# Altium PCB PCB_Incense_V20.PcbDoc (part 1 of 3) (continued)
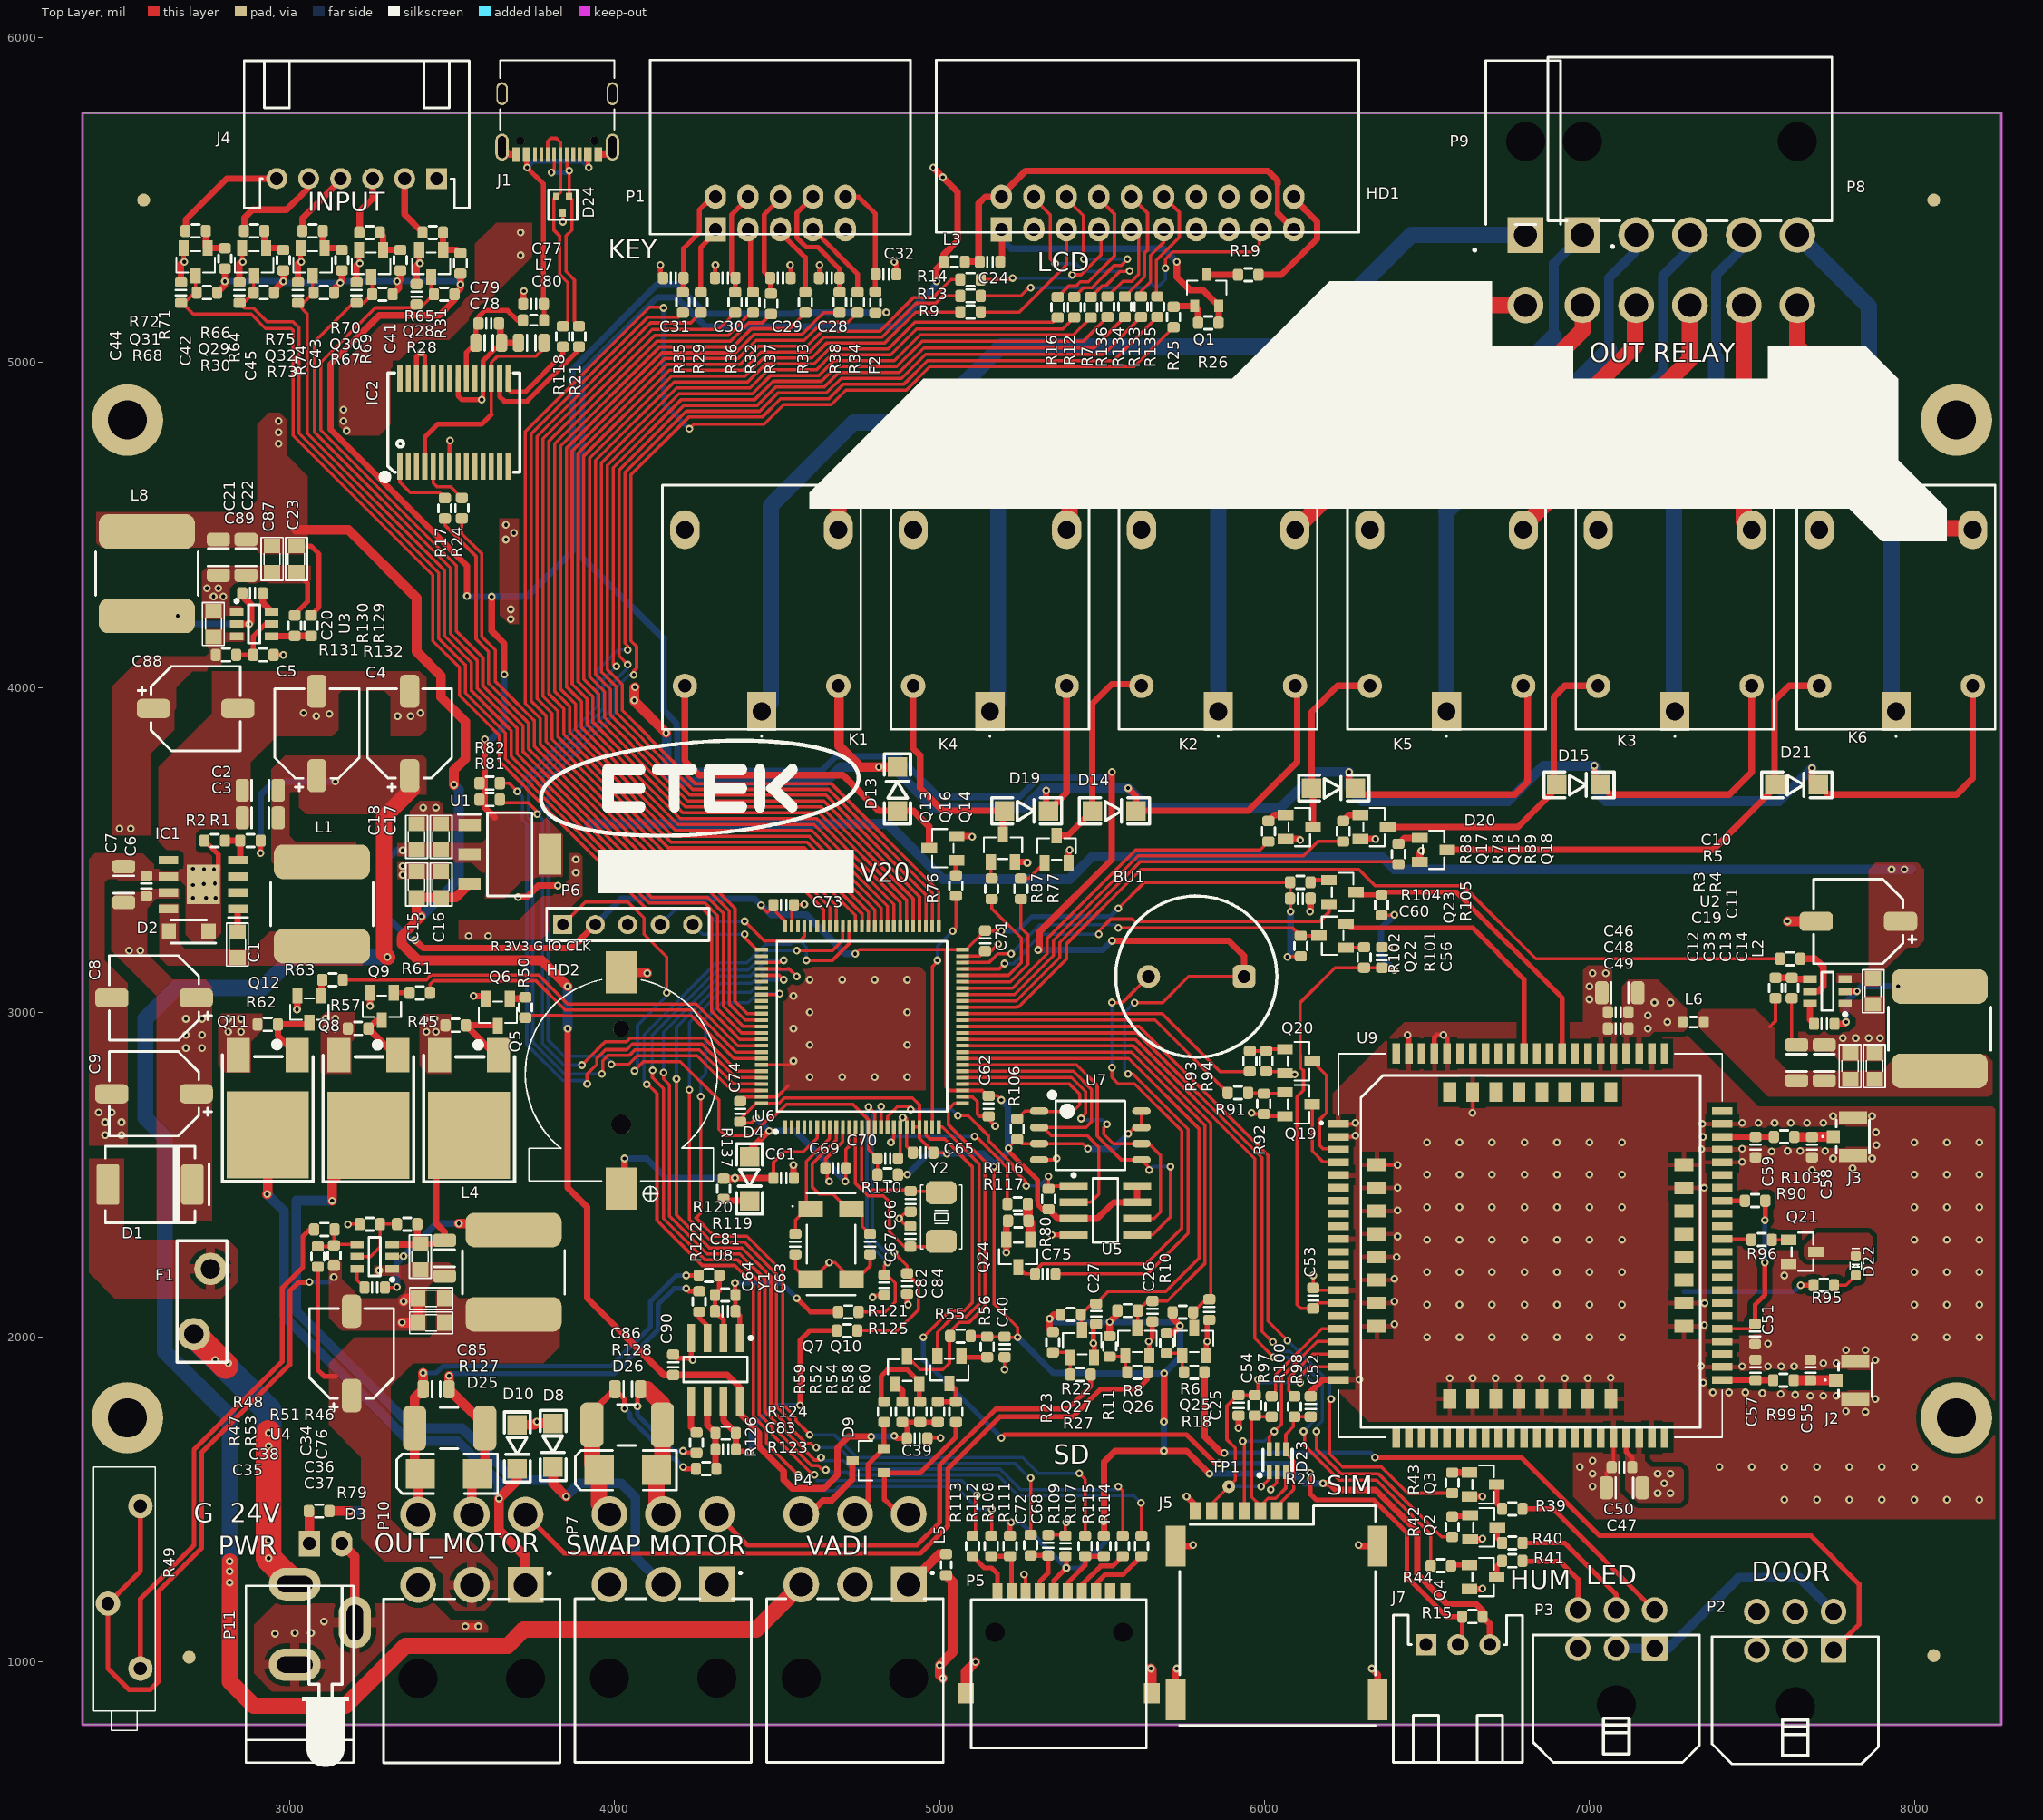
[diagram p0: Top Layer view]
## Footprints (in the part's own frame and the unit in brackets; to place one, negate y for a bottom-side part, rotate by r counter-clockwise, add the part's x,y. Pads: shape width x height; smd on the part's side, far side on the other; paste and mask are expansions set on the pad) (continued)
TESTPOINT [mm] "Test point 2"
  round 1 smd mask+0.051: 1(0,0)
TO-252 [mm]
  rect 1.8x2.7 smd mask+0.051: 1(-2.3,0) 3(2.3,0)
  rect 6.4x6.8 smd mask+0.051: 2(0,6.25)
  silkscreen extent -3.56,-1.02 3.56,9.91, body extent -3.29,-0.72 3.29,8.98, height 2.3
TRB160-2 [mm]
  round 2.54 hole 1.5 mask+0.076: 1(-2.55,0.65) 2(2.55,-0.65)
  silkscreen extent -4.75,-1.95 4.75,1.95, body extent -4.7,-1.55 4.7,1.55, height 14.7
XH2.54-3P-RA [mil] "CON 5"
  rect 65x65 hole 39.37 mask+3: 1(0,-0.01)
  round 65 hole 39.37 mask+3: 2(-98.43,-0.01) 3(-196.83,-0.01)
  silkscreen extent -297,-91 101,362, body extent -293,-91 96,362, height 240
XH2.54-6P-RA [mil] "CON 5"
  rect 65x65 hole 39.37 mask+3: 1(0.01,-0.01)
  round 65 hole 39.37 mask+3: 2(-98.42,-0.01) 3(-196.84,-0.01) 4(-295.27,-0.01) 5(-393.69,-0.01) 6(-492.1,-0.01)
  silkscreen extent -592,-91 101,362, body extent -589,-91 96,362, height 240
xtal_5032 [mm]
  rrect50% 1.8x2.413 smd: 1(-1.9,0) 2(1.9,0)
  silkscreen extent -2.5,-1.6 2.5,1.6, body extent -2.47,-1.62 2.53,1.58, height 1.3

## Part data
BU1: library part PKM13EPYH4000, "BUZZ 5V 12095 12x9.5mm", MANUFACTURER1=LKCL, MANUFACTURER2_PART#="5V 9.5x12MM", Category=PASSIVE, MANUFACTURER1_PART#=CLA2022, MANUFACTURER2=https://banlinhkien.com/coi-chip-5v-9.5x12mm-p6653467.html
C1 C11 C13 C14 C20 C23 C87: "CAP CER 0.1UF 50V X7R 0805", =Value=0.1uF, MANUFACTURER1="Cal-Chip Electronics, Inc.", MANUFACTURER1_PART#=GMC21X7R104M50NT, LatestRevisionDate=17-Jul-2002, LatestRevisionNote="Re-released for DXP Platform.", PackageDescription="Radial Cap, Thru-Hole; 2 Leads; 0.3 in Pin Spacing", PackageReference=RAD-0.3, Published=8-Jun-2000, Publisher="Altium Limited"
C2 C3 C7 C76: library part Cap, "CAP CER 10UF 50V X5R 1206", MANUFACTURER1="Samsung Electro-Mechanics", MANUFACTURER1_PART#=CL31A106MBHNNNE, Tolerance=±10%, VOLTAGE=50V, Category=CAP-CER, Material=X7R, PACKING="Tape & Reel (TR)", PCB Footprint=1206, Process Type=SM, UNIT=PCS
C4 C5: library part "Cap TANTAN 100UF35V2917_1", "CAP ALUM 100UF 20% 16V SMD", MANUFACTURER1=Nichicon, MANUFACTURER1_PART#=UWX1C101MCL1GB, MANUFACTURER2=KEMET, MANUFACTURER2_PART#=EDK107M016A9GAA, TEMP=0-85, Tolerance=20%, VOLTAGE=16V, Category=CAP-POL-SMD, DIA=6.3mm
C6 C48 C51 C53 C54 C56 C60 C68 C75 C77 C79: library part Cap, "CAP-CER,SMD;0.1UF,10%,50V,X7R,0603", MANUFACTURER1="Samsung Electro-Mechanics", MANUFACTURER1_PART#=CL10B104KB8NNNC, MANUFACTURER2=UWA, MANUFACTURER2_PART#=M0603X104K050TAX, Tolerance=±10%, VOLTAGE=50V, Category=CAP-CER, Material=X7R, PACKING="Tape & Reel (TR)", PCB Footprint=0603, Process Type=SM, UNIT=PCS
  C68: LOH_Code=101100038
C8 C9 C10 C35 C88: library part "Cap TANTAN 47UF35V2917", "CAP ALUM 47UF 20% 35V SMD", MANUFACTURER1=Nichicon, MANUFACTURER1_PART#=UUR1V470MCL6GS, MANUFACTURER2=KEMET, MANUFACTURER2_PART#=EDK476M035A9GAA, TEMP=0-85, Tolerance=20%, VOLTAGE=35V, Category=CAP-POL-SMD, DIA=6.3mm
C12 C21 C22 C33 C46 C47: library part Cap, "CAP CER 100UF 6.3V X5R 1206", MANUFACTURER1="Taiyo Yuden", MANUFACTURER1_PART#=JMK316BJ107ML-T, MANUFACTURER2=Yageo, MANUFACTURER2_PART#=JMK107BJ475KA-T, Tolerance=±10%, VOLTAGE=6.3V, Category=CAP-CER, Material=X5R, PACKING="Tape & Reel (TR)", PCB Footprint=1206, Process Type=SM, UNIT=PCS
C15: library part CAP, "CAP CER 10UF 25V X5R 0805", MANUFACTURER1="Cal-Chip Electronics, Inc.", MANUFACTURER1_PART#=GMC21X5R106M25NT
C16 C18: library part CAP, "CAP CER 0.1UF 50V X7R 0805", MANUFACTURER1="Cal-Chip Electronics, Inc.", MANUFACTURER1_PART#=GMC21X7R104M50NT
C17: library part CAP, "CAP CER 10UF 16V X5R 0805", MANUFACTURER1="Cal-Chip Electronics, Inc.", MANUFACTURER1_PART#=GMC21X5R106K16NT
C19 C89: "CAP CER 0.1UF 50V X5R 0603", =Value=0.1uF, MANUFACTURER1="Cal-Chip Electronics, Inc.", MANUFACTURER1_PART#=GMC10X5R104M50NT, LatestRevisionDate=17-Jul-2002, LatestRevisionNote="Re-released for DXP Platform.", PackageDescription="Radial Cap, Thru-Hole; 2 Leads; 0.3 in Pin Spacing", PackageReference=RAD-0.3, Published=8-Jun-2000, Publisher="Altium Limited"
C24 C28 C29 C30 C31 C32: library part Cap_0.1uF, "CAP CER 0.1UF 50V X7R 0603", MANUFACTURER1="Samsung Electro-Mechanics", MANUFACTURER1_PART#=CL10B104KB8NNNC, Tolerance=±10%, VOLTAGE=50V, Category=CAP-CER, MANU1="Samsung Electro-Mechanics", Material=X7R, PROC=SM, UNIT=PCS
C25 C26 C27 C39 C40 C41 C42 C43 C44 C45 C81 C82 C83 C84 C90: library part Cap, "CAP CER 0.1UF 50V X7R 0603", MANUFACTURER1="Samsung Electro-Mechanics", MANUFACTURER1_PART#=CL10B104KB8NNNC, MANUFACTURER2=UWA, MANUFACTURER2_PART#=M0603X104K050TAX, Tolerance=±10%, VOLTAGE=50V, Category=CAP-CER, Material=X7R, PACKING="Tape & Reel (TR)", PCB Footprint=0603, Process Type=SM, UNIT=PCS
C34 C38 C62 C65 C69 C70: "CAP CER 0.1UF 50V X7R 0603", =Value=0.1uF, MANUFACTURER1="Samsung Electro-Mechanics", MANUFACTURER1_PART#=CL10B104KB8NNNC, LatestRevisionDate=17-Jul-2002, LatestRevisionNote="Re-released for DXP Platform.", PackageDescription="Radial Cap, Thru-Hole; 2 Leads; 0.3 in Pin Spacing", PackageReference=RAD-0.3, Published=8-Jun-2000, Publisher="Altium Limited"
C36 C37: "cap,0805,0.1uF,50V", =Value=0.1uF, LatestRevisionDate=17-Jul-2002, LatestRevisionNote="Re-released for DXP Platform.", PackageDescription="Radial Cap, Thru-Hole; 2 Leads; 0.3 in Pin Spacing", PackageReference=RAD-0.3, Published=8-Jun-2000, Publisher="Altium Limited"
C49: library part Cap, "CAP CER 33PF 50V C0G/NPO 0603", MANUFACTURER1="Samsung Electro-Mechanics", MANUFACTURER1_PART#=CL10C330JB8NNNC, MANUFACTURER2=Yageo, MANUFACTURER2_PART#=CC0603JRNPO9BN330, Tolerance=±10%, VOLTAGE=50V, Category=CAP-CER, Material=C0G/NPO, PACKING="Tape & Reel (TR)", PCB Footprint=0603, Process Type=SM, UNIT=PCS
C50: library part Cap, "CAP CER 10PF 50V C0G/NPO 0603", MANUFACTURER1="Samsung Electro-Mechanics", MANUFACTURER1_PART#=CL10C100JB8NNNC, MANUFACTURER2=Yageo, MANUFACTURER2_PART#=CC0603JRNPO9BN100, Tolerance=±10%, VOLTAGE=50V, Category=CAP-CER, Material=X7R, PACKING="Tape & Reel (TR)", PCB Footprint=0603, Process Type=SM, UNIT=PCS
C52 C66 C67 C72: library part Cap, "CAP CER 18PF 50V C0G/NP0 0603", MANUFACTURER1=Samsung, MANUFACTURER1_PART#=CL10C180JB81PNC, MANUFACTURER2=Yageo, MANUFACTURER2_PART#=CC0603JRNPO9BN180, Tolerance=±5%, VOLTAGE=50V, Category=CAP-CER, Material="C0G, NP0", PACKING="Tape & Reel (TR)", PCB Footprint=0603, Process Type=SM, UNIT=PCS
C55 C57 C58 C59 C63 C64: library part Cap, "CAP-CER,SMD;12PF,5%,50V,C0G/NPO 0603", MANUFACTURER1=Yageo, MANUFACTURER1_PART#=CC0603JRNPO9BN120, Tolerance=±5%, VOLTAGE=50V, Category=CAP-CER, Material="C0G, NP0", PACKING="Tape & Reel (TR)", PCB Footprint=0603, Process Type=SM, UNIT=PCS
  C55 C57 C58 C59: NI_MARK=NI
  C63 C64: DESCCRIPTION="CAP CER 20PF 50V C0G/NPO 0603", don vi cung cap=shop, PROC=SM
C61: library part Cap, "CAP CER 0.1UF 50V X7R 0603", =Value=0.1uF, MANUFACTURER1="Samsung Electro-Mechanics", MANUFACTURER1_PART#=CL10B104KB8NNNC, LatestRevisionDate=17-Jul-2002, LatestRevisionNote="Re-released for DXP Platform.", PackageDescription="Radial Cap, Thru-Hole; 2 Leads; 0.3 in Pin Spacing", PackageReference=RAD-0.3, Published=8-Jun-2000, Publisher="Altium Limited"
C71 C73 C74: "CAP-CER,SMD;0.1UF,10%,50V,X7R,0603", MANUFACTURER1="Samsung Electro-Mechanics", MANUFACTURER1_PART#=CL10B104KB8NNNC, LatestRevisionDate=17-Jul-2002, LatestRevisionNote="Re-released for DXP Platform.", PackageDescription="Radial Cap, Thru-Hole; 2 Leads; 0.3 in Pin Spacing", PackageReference=RAD-0.3, Published=8-Jun-2000, Publisher="Altium Limited"
C78 C80: library part Cap-NP-100, "CAP-CER,SMD;10UF,10%,25V,X5R,0805", MANUFACTURER1="Taiyo Yuden", MANUFACTURER1_PART#=TMK212BBJ106KG-T, MANUFACTURER2=Samsung, MANUFACTURER2_PART#=CL21A106KAYNNNG, PACKAGE=0805, Tolerance=±10%, VOLTAGE=25V, Category=CAP_CER, Material=X5R, PACKING="Tape & Reel (TR)", PCB Footprint=0805, Process Type=SM, UNIT=PCS
C85 C86: library part Cap-NP-100, "CAP CER 22UF 16V X5R 0805", MANUFACTURER1=Samsung, MANUFACTURER1_PART#=CL21A226MOCLRNC, MANUFACTURER2="Taiyo Yuden", MANUFACTURER2_PART#=LMK212BBJ226MG-T, PACKAGE=0805, Tolerance=±20%, VOLTAGE=16V, Category=CAP_CER, DESCCRIPTION="CAP CER 22UF 16V X5R 0805", Material=X5R, PACKING="Tape & Reel (TR)", PCB Footprint=0805, Process Type=SM, UNIT=PCS
D1: library part Diode, "Default Diode", MANUFACTURER1=Diodes, MANUFACTURER1_PART#=S3MB-13-F, Supplier Part Number 1=3172375, Code_JEDEC=DO-214-AB, LatestRevisionDate=17-Jul-2002, LatestRevisionNote="Re-released for DXP Platform.", PackageDescription="DO-214-AB/SMC; 2 C-Bend Leads; Body 7.9 x 5.9 mm, inc. leads (LxW)", PackageReference=SMC, PackageVersion=Sep-1996, Published=8-Jun-2000, Publisher="Altium Limited", Supplier 1="Future Electronics"
D2: library part "D Schottky", "Diode 40 V 3A Surface Mount SMAF", MANUFACTURER1=MDD, Supplier Part Number 1=90AJ6552, Code_JEDEC=DO-214-AA, LatestRevisionDate=17-Jul-2002, LatestRevisionNote="Re-released for DXP Platform.", MANUFACTURER1_PART#=SS34F, PackageDescription="DO-214-AA/SMB; 2 C-Bend Leads; Body 5.3 x 3.6 mm, inc. leads (LxW)", PackageReference=SMA, Published=8-Jun-2000, Publisher="Altium Limited", Supplier 1=Newark
D3: library part LED-RED, "LED_3MM,2V,20mA,GREEN", Category="LED SMD", MANUFACTURER1_PART#=https://banlinhkien.com/led-3mm-xanh-la-duc-10c-p12117293.html, PACKING="Tape & Reel (TR)", PCB Footprint=LED_3MM, Process Type=SM, UNIT=PCS
D4 D8 D10 D13 D14 D15 D19 D20 D21: library part Diode, "DIODE GP 100V 300MA SOD123 10K", MANUFACTURER1="Diodes Incorporated", MANUFACTURER1_PART#=1N4148WQ-13-F, Code_JEDEC=DO-214-AB, LatestRevisionDate=17-Jul-2002, LatestRevisionNote="Re-released for DXP Platform.", PackageDescription="DO-214-AB/SMC; 2 C-Bend Leads; Body 7.9 x 5.9 mm, inc. leads (LxW)", PackageReference=SMC, PackageVersion=Sep-1996, Published=8-Jun-2000, Publisher="Altium Limited"
  D4: Assembly=NI
D9: library part TVS_DUAL_3V3_SOT23, "3.3V, ESD PROTECTION DEVICES, SO", Current="40A (8/20µs)", Junction Capacitance=260pF, MANUFACTURER1="Micro Commercial Co", MANUFACTURER2=Vishay, MANUFACTURER2_PART#=GSOT03C-E3-08, Power=500W, VOLTAGE=3.3V, Category=TVS, MANUFACTURER1_PART#=SM3.3H-TP
D22: library part LED-RED, "LED-SMD,2V,20mA,0603,RED", MANUFACTURER1=OSRAM, MANUFACTURER1_PART#="LY Q396-P1Q2-36", MANUFACTURER2="Lite-On Inc.", MANUFACTURER2_PART#=LTST-S270KSKT, Category="LED SMD", PACKING="Tape & Reel (TR)", PCB Footprint=0603, Process Type=SM, UNIT=PCS
D23: library part "DIODES 5v TVS SOT-23-6", "2.5V TVS DIODE SOT23-6", CAPACITANCE="65pF @ 1MHz", MANUFACTURER1=Toshiba, VOLTAGE=2.5V, Category=TVS, MANUFACTURER1_PART#=DF5A5.6FUTE85LF, NI_MARK=NI
D24: library part TVS_DUAL_SIGNAL_5V_SOT23, "5V, ESD PROTECTION DEVICES, SOT-23", CAPACITANCE=0.5pF, Current=1A, MANUFACTURER1="ON Semiconductor", MANUFACTURER2=Toshiba, MANUFACTURER2_PART#=DF3D6.8MS,LF, Power=320W, VOLTAGE=5V, Category=TVS, MANUFACTURER1_PART#=ESDR0502BT1G, NI_MARK=NI
D25 D26: library part "Diode Zener", "TVS DIODE 30V 50.82V DO214AB", MANUFACTURER1=Vishay, MANUFACTURER1_PART#=S3MHE3_A/I, Category=DIODE, NI_MARK=NI
F1: library part 0875.800MXEP, "Polymeric 30V 3.2A 8s 95mO Through Hole,P=5.1mm,L=3.8mm PTC", Breaking Capacity @ Rated Voltage=3.2A, DC Cold Resistance="0.095 Ohms", MANUFACTURER1="TLC Electronic", MANUFACTURER2="Jinrui Electronic Materials Co.", MANUFACTURER2_PART#=JK30-160, Package / Case=TH2, Voltage - Rated=30V, Category=FUSE, Current Rating (Amps)=3.2A, MANUFACTURER1_PART#=TRB160-2, PROCESS_TYPE=MA, Response Time=8s, UNIT=PCS
F2: library part 0875.800MXEP, "PTC RESET FUSE 24V 10MA 0603", Breaking Capacity @ Rated Voltage=0.06A, Current Rating (Amps)=60mA, DC Cold Resistance="0.116 Ohms", MANUFACTURER1="Murata Electronics", Package / Case=0603, Voltage - Rated=24V, Category=FUSE, MANUFACTURER1_PART#=PRG18BB471MB1RB, Melting I²t=0.919, PROCESS_TYPE=MA, Response Time="Slow Blow", UNIT=PCS
HD1: "CONN HEADER R/A 20POS 2.54MM", MANUFACTURER1="Wurth Elektronik", MANUFACTURER1_PART#=61202021721, LatestRevisionDate=17-Jul-2002, LatestRevisionNote="Re-released for DXP Platform.", Publisher="Altium Limited"
HD2: library part "CR1220 SMD", "CR1220 SMD HOLDER", MANUFACTURER1=Q&J, MANUFACTURER2="Adam Tech", MANUFACTURER2_PART#=BH-122A-5, Category=HOLDER, MANUFACTURER1_PART#=CR1220-2ZX, PROCESS_TYPE=SM
IC1: "Integrated Circuit", MANUFACTURER1="Texas Instruments", Mouser Part Number=595-TPS5430DDARG4, Datasheet Link=http://www.ti.com/general/docs/suppproductinfo.tsp?distId=10&gotoUrl=http%3A%2F%2Fwww.ti.com%2Flit%2Fgpn%2Ftps5431, Height=1.7mm, MANUFACTURER1_PART#=TPS5430DDARG4, Manufacturer_Name="Texas Instruments", Manufacturer_Part_Number=TPS5430DDARG4, Mouser Price/Stock=https://www.mouser.co.uk/ProductDetail/Texas-Instruments/TPS5430DDARG4?qs=zwk82MlA57YG4K%2FfUMTveg%3D%3D
IC2: library part PL2303HX, "IC USB FS SERIAL UART 28-SSOP", MANUFACTURER1="FTDI, Future Technology Devices International Ltd", MANUFACTURER1_PART#=FT232RL-REEL, MANUFACTURER2=PROFILIC, Category=IC, MANUFACTURER2_PART#=PL2303HX
J1: "USB TYPE C R/A SMT 16PIN", MANUFACTURER1="Amphenol ICC (FCI)", PACKAGE=None, Availability=Unavailable, MANUFACTURER1_PART#=10155435-00011LF, MF="Amphenol ICC (FCI)", MP=10155435-00011LF, Price=None
J2 J3: "RF Connectors / Coaxial Connectors T&R U.FL Straight Surface Mount Jack", MANUFACTURER1="Linx Technologies", MANUFACTURER2="TE Connectivity / Linx Technologies", MANUFACTURER2_PART#=712-CONUFL001-SMD-T, Supplier Part Number 1=77AK9897, Datasheet Link=https://linxtechnologies.com/wp/product/mhf-rf-connectors/, MANUFACTURER1_PART#=CONUFL001-SMD-T, Supplier 1=Newark
J4: library part "Header 6", "CONN HEADER R/A 6POS 2.5MM", MANUFACTURER1="JST Sales America Inc.", MANUFACTURER1_PART#=S6B-XH-A, Supplier Part Number 1=S6B-XH-A(LF)(SN), LatestRevisionDate=17-Jul-2002, LatestRevisionNote="Re-released for DXP Platform.", Publisher="Altium Limited", Supplier 1="Arrow Electronics"
J5: "WR-CRD_SMT_MICROSIM_PUSH&PUSH_CD", Contact Resistance=100mOhm, Manufacturer="Wurth Elektronik", Operating Temperature Max=70°C, Operating Temperature Min=-20°C, Rated Current=0.5A, Withstanding Voltage=500VAC, Working Voltage=50VAC, Category="Input/Output Connectors", ComponentLink1Description="Website Link", ComponentLink1URL=https://www.we-online.com/redexpert/article/693021020811?ad, ComponentLink2Description="Datasheet Link", ComponentLink2URL=https://www.we-online.com/redexpert/spec/693021020811?ad, Gender=Receptacle, MANUFACTURER1="Wurth Elektronik", MANUFACTURER1_PART#=693021020811, Manufacturer Part Number=693021020811, Match Code=WR-CRD, Mount="Surface Mount", Number of Pins=6, Packaging="Tape and Reel", TYPE="Push & Push"
J7: library part "Header 3", "CONN HEADER R/A 3POS 2.5MM", MANUFACTURER1="JST Sales America Inc.", MANUFACTURER1_PART#=S3B-XH-A, Supplier Part Number 1=455-S3B-XH-A-ND, LatestRevisionDate=17-Jul-2002, LatestRevisionNote="Re-released for DXP Platform.", Publisher="Altium Limited", Supplier 1=Digikey
K1 K2 K3 K4 K5 K6: "Relay 24V 10A 5 PIN", MANUFACTURER1=SONGLE, Manufacturer_Name=EAGLE, Datasheet Link=https://pdf1.alldatasheet.com/datasheet-pdf/view/1132032/SONGLERELAY/SRD-24VDC-SL-C.html, Height=15.3mm, MANUFACTURER1_PART#=srd-24vdc-sl-c, Manufacturer_Part_Number=srd-24vdc-sl-c
L1: library part "inductor 2.2uF", "FIXED IND 22UH 5A SMD 8x8mm", MANUFACTURER1="Bourns Inc.", MANUFACTURER1_PART#=SRP7050WA-220M, RATE Current=5A, Tolerance=±20%, Category=Inductor, PACKING="Tape & Reel (TR)", PCB Footprint=10X10MM, Process Type=SM, SAT CURENT=5.6A, UNIT=PCS
L2 L4 L8: library part IND_10uH_3.1A_44.2mOhm_8MX8MX4M, "IND-SMD;10uH,20%,8x8x4mm,3.1A,44.2mOHM", Current=3.1A, MANUFACTURER1="Taiyo Yuden", MANUFACTURER1_PART#=NR8040T100M, PACKAGE=IND_8M0X8M0X4M0, PSpice Template="L^@REFDES %A %B @ MODEL @VALUE", Tolerance=20%, BY=VINFAST_RD, Category=INDUCTOR, DCR="44.2m Ohm", DISTR1=DIGIKEY, DISTR1_PART#=587-2001-2-ND, MFG1="TAIYO YUDEN", MFG1_PART#=NR8040T100M, PROCESS=SM, Tolerance6=20%, TYPE=IND-SMD, VFCODE=NR8040T100M
L3 L7: library part "inductor 2.2uF", "FERRITE BEAD 330 OHM 0603 1LN", Current=1.7A, MANUFACTURER1="TDK Corporation", MANUFACTURER1_PART#=MPZ1608S331ATA00, MANUFACTURER2="Murata Electronics", MANUFACTURER2_PART#=BLM18KG331SN1D, Tolerance=±10%, Category=Inductor, DESCRIPTION_="FERRITE BEAD 330 OHM 0603 1LN", PACKING="Tape & Reel (TR)", PCB Footprint=0603, Process Type=SM, UNIT=PCS
L5 L6: library part "inductor 2.2uF", "FERRITE BEAD 100 OHM 0603 1LN", Current=3A, MANUFACTURER1="TDK Corporation", MANUFACTURER2="Murata Electronics", MANUFACTURER2_PART#=BLM18KG101TN1D, Tolerance=±10%, Category=Inductor, MANUFACTURER1_PART#=MPZ1608S101ATAH0, PACKING="Tape & Reel (TR)", PCB Footprint=0603, Process Type=SM, UNIT=PCS
P1: library part IDE10, "CONN HEADER R/A 10POS 2.54MM", MANUFACTURER1="Wurth Elektronik", MANUFACTURER1_PART#=61201021721, Supplier Part Number 1=19P1268, Category=CONNECTOR, PITCH=2.54mm, Supplier 1=Newark
P2 P3: library part "Header 3X2A", "Header, 3-Pin, Dual row", MANUFACTURER1="Amphenol ICC (FCI)", Supplier Part Number 1=80X2606, LatestRevisionDate=17-Jul-2002, LatestRevisionNote="Re-released for DXP Platform.", MANUFACTURER1_PART#=10127720-061LF, Publisher="Altium Limited", Supplier 1=Avnet
P4 P7 P10: library part "Header 3X2A", "CONN HEADER R/A 6POS 4.2MM", MANUFACTURER1=Molex, MANUFACTURER1_PART#=0039301060, Supplier Part Number 1=538-39-28-1063, LatestRevisionDate=17-Jul-2002, LatestRevisionNote="Re-released for DXP Platform.", Publisher="Altium Limited", Supplier 1=Mouser
P5: "SMD Card Sockets", MANUFACTURER1="Korean Hroparts Elec", MANUFACTURER1_PART#=SD-01A, Category=CONNECTOR, PROCESS_TYPE=SM
P6: "Header, 5-Pin,2.54mm", LatestRevisionDate=17-Jul-2002, LatestRevisionNote="Re-released for DXP Platform.", Publisher="Altium Limited"
P8: library part "Header 5X2A", "CONN HEADER R/A 10POS 4.2MM", MANUFACTURER1=Molex, LatestRevisionDate=17-Jul-2002, LatestRevisionNote="Re-released for DXP Platform.", MANUFACTURER1_PART#=039301100, Publisher="Altium Limited"
P9: library part "Header 2H", "Header, 2-Pin, Right Angle", MANUFACTURER1=Molex, LatestRevisionDate=17-Jul-2002, LatestRevisionNote="Re-released for DXP Platform.", MANUFACTURER1_PART#=0039301020, Publisher="Altium Limited"
P11: "CONN PWR JACK 2X5.5MM SOLDER", MANUFACTURER1=4840.2201, MANUFACTURER1_PART#="SCHURTER Inc.", LatestRevisionDate=17-Jul-2002, LatestRevisionNote="Re-released for DXP Platform.", Publisher="Altium Limited"
Q1: library part Si2302DS, "MOSFET N-CH 20V 4.2A SOT23", Current - Continuous Drain="4.2A (Ta)", MANUFACTURER1="Nexperia USA Inc.", Category=FET, MANUFACTURER1_PART#=PMV30UN2R, RDSON="32mOhm @ 4.2A, 4.5V", VGH="1.2V, 4.5V"
Q2 Q3 Q4 Q6 Q7 Q9 Q10 Q12 Q13 Q14 Q15 Q16 Q17 Q18 Q19 Q20 Q21 Q22 Q23 Q24 Q25 Q26 Q27 Q28 Q29 Q30 Q31 Q32: library part NPN, "NPN 200mA 40V 350mW SOT-23 Transistors", MANUFACTURER1="Guangdong Hottech", MANUFACTURER2="HT(Shenzhen Jinyu Semicon)", PACKAGE=SOT23, Category=TRANSISTOR, MANUFACTURER1_PART#=MMBT3904, MANUFACTURER2_PART#=MMBT3904, PROCESS_TYPE=SM
Q5 Q8 Q11: library part MOSFET-P, "MOSFET P-CH 60V 26A TO252", MANUFACTURER1="Alpha & Omega Semiconductor Inc.", LatestRevisionDate=17-Jul-2002, LatestRevisionNote="Re-released for DXP Platform.", MANUFACTURER1_PART#=AOD409, PackageDescription="TO, Flat Index; 3 In-Line, Axial Leads; Body Dia. 4.6mm; Lead Dia. 0.5 mm (max)", PackageReference=E3, PackageVersion=1995/1996, Published=8-Jun-2000, Publisher="Altium Limited"
R1: "RES SMD 33K OHM 1% 1/10W 0603", MANUFACTURER1="Cal-Chip Electronics, Inc.", MANUFACTURER1_PART#=RM06F3302CT, LatestRevisionDate=17-Jul-2002, LatestRevisionNote="Re-released for DXP Platform.", PackageDescription="Axial Device, Thru-Hole; 2 Leads; 0.3 in Pin Spacing", PackageReference=AXIAL-0.3, Published=8-Jun-2000, Publisher="Altium Limited"
R2: "RES SMD 3.3K OHM 1% 1/10W 0603", MANUFACTURER1="Cal-Chip Electronics, Inc.", MANUFACTURER1_PART#=RM06F3301CT, LatestRevisionDate=17-Jul-2002, LatestRevisionNote="Re-released for DXP Platform.", PackageDescription="Axial Device, Thru-Hole; 2 Leads; 0.3 in Pin Spacing", PackageReference=AXIAL-0.3, Published=8-Jun-2000, Publisher="Altium Limited"
R3 R129 R131: "RES SMD 56K OHM 1% 1/10W 0603", MANUFACTURER1="Cal-Chip Electronics, Inc.", MANUFACTURER1_PART#=RM06F7322CT, LatestRevisionDate=17-Jul-2002, LatestRevisionNote="Re-released for DXP Platform.", PackageDescription="Axial Device, Thru-Hole; 2 Leads; 0.3 in Pin Spacing", PackageReference=AXIAL-0.3, Published=8-Jun-2000, Publisher="Altium Limited"
R4 R79 R130 R132: "RES SMD 10K OHM 1% 1/10W 0603", MANUFACTURER1="Cal-Chip Electronics, Inc.", MANUFACTURER1_PART#=RM06F1302CT, LatestRevisionDate=17-Jul-2002, LatestRevisionNote="Re-released for DXP Platform.", PackageDescription="Axial Device, Thru-Hole; 2 Leads; 0.3 in Pin Spacing", PackageReference=AXIAL-0.3, Published=8-Jun-2000, Publisher="Altium Limited"
R5 R42 R43 R44: library part Res0.3, "RES SMD,1K OHM,5%,1/10W,0603", MANUFACTURER1="Stackpole Electronics Inc", MANUFACTURER1_PART#=RMCF06031K00JNEAC, MANUFACTURER2=UWA, MANUFACTURER2_PART#=R0603J1KTG, Power=0.25W, Tolerance=±5%, Category="RES SMD", DESCCRIPTION="RES SMD 1K OHM 5% 1/10W 0603", LOH_Code=140100083, PACKING="Tape & Reel (TR)", PCB Footprint=0603, Process Type=SM, UNIT=PCS
R6 R8 R18 R20 R22 R26 R27 R28 R30 R45 R52 R56 R57 R62 R65 R66 R67 R68 R70 R72 R73 R75 R80 R90 R92 R94 R97 R101 R104 R106 R107 R108 R117 R119 R124 R137: library part Res0.3, "RES SMD,10K OHM 5% 1/10W 0603", MANUFACTURER1="Stackpole Electronics Inc", MANUFACTURER1_PART#=RMCF0603JT10K0, MANUFACTURER2=UWA, MANUFACTURER2_PART#=R0603J10KKDX, Power=0.25W, Tolerance=±5%, Category=RES-SMD, PACKING="Tape & Reel (TR)", PCB Footprint=0603, Process Type=SM, UNIT=PCS
  R119 R124: DESCCRIPTION="RES 10K OHM 5% 1/10W 0603", DESCRIPTION_="RES 10K OHM 5% 1/10W 0603", don vi cung cap=shop, LOH_Code=140100118
R7 R9 R12 R13 R14 R16 R29 R32 R33 R34 R35 R36 R37 R38 R133 R134 R135 R136: library part "RES 120 OHM 5% 1/10W 0603", "RES 100 OHM 5% 1/10W 0603", MANUFACTURER1=Stackpole, MANUFACTURER1_PART#=RMCF0603JG100R, Category=RES-SMD, PCB_ Footprint=0603, PROC=SM, UNIT=PCS
R10 R11 R23 R31 R64 R69 R71 R74 R110: library part Res1, "RES 100K OHM 1% 1/10W 0603", MANUFACTURER1="Stackpole Electronics Inc", MANUFACTURER1_PART#=RMCF0603FT100K, LatestRevisionDate=17-Jul-2002, LatestRevisionNote="Re-released for DXP Platform.", PackageDescription="Axial Device, Thru-Hole; 2 Leads; 0.3 in Pin Spacing", PackageReference=AXIAL-0.3, Published=8-Jun-2000, Publisher="Altium Limited"
  R23: Assembly=NI
R15 R50 R61 R63 R76 R77 R78 R87 R88 R89 R91 R93: library part Res0.3, "RES SMD,1K OHM,5%,1/10W,0603", MANUFACTURER1="Stackpole Electronics Inc", MANUFACTURER1_PART#=RMCF06031K00JNEAC, MANUFACTURER2=UWA, MANUFACTURER2_PART#=R0603J1KTG, Power=0.25W, Category="RES SMD", DESCCRIPTION="RES SMD 1K OHM 5% 1/10W 0603", LOH_Code=140100083, PACKING="Tape & Reel (TR)", PCB Footprint=0603, Process Type=SM, UNIT=PCS
R17 R24 R25 R39 R40 R41 R96 R116 R121 R125: library part Res0.3, "RES SMD, 470 OHM 5% 1/8W 0603", MANUFACTURER1="KOA Speer Electronics, Inc.", MANUFACTURER1_PART#=RK73B1JTTD471J, MANUFACTURER2=Stackpole, MANUFACTURER2_PART#=RMCF0603JT470R, Power=0.25W, Tolerance=±5%, Category="RES SMD", PACKING="Tape & Reel (TR)", PCB Footprint=0603, Process Type=SM, UNIT=PCS
R19: library part "RES 120 OHM 5% 1/10W 0603", "RES 100 OHM 5% 1/10W 0603", MANUFACTURER1=Stackpole, MANUFACTURER1_PART#=RMCF0603JG100R, Tolerance=5%, Category=RES-SMD, PCB_ Footprint=0603, PROC=SM, UNIT=PCS
R21 R59 R60 R98 R100 R109 R111 R112 R113 R114 R115 R118: library part Res0.3, "RES 22 OHM 5% 1/10W 0603", MANUFACTURER1=Yageo, MANUFACTURER1_PART#=RC0603JR-0722RL, MANUFACTURER2="Stackpole Electronics Inc", MANUFACTURER2_PART#=RMCF0603JT22R0, Power=0.25W, Tolerance=5%, Category="RES SMD", PACKING="Tape & Reel (TR)", PCB Footprint=0603, Process Type=SM, UNIT=PCS
R46: "RES 47K OHM 5% 1/10W 0603", MANUFACTURER1="Stackpole Electronics Inc", MANUFACTURER1_PART#=RMCF0603JT47K0, LatestRevisionDate=17-Jul-2002, LatestRevisionNote="Re-released for DXP Platform.", PackageDescription="Axial Device, Thru-Hole; 2 Leads; 0.3 in Pin Spacing", PackageReference=AXIAL-0.3, Published=8-Jun-2000, Publisher="Altium Limited"
R47: "RES 390K OHM 1% 1/10W 0603", MANUFACTURER1=YAGEO, MANUFACTURER1_PART#=RC0603FR-07390KL, LatestRevisionDate=17-Jul-2002, LatestRevisionNote="Re-released for DXP Platform.", PackageDescription="Axial Device, Thru-Hole; 2 Leads; 0.3 in Pin Spacing", PackageReference=AXIAL-0.3, Published=8-Jun-2000, Publisher="Altium Limited"
R48: "RES SMD,15K OHM 5% 1/10W 0603", MANUFACTURER1="Stackpole Electronics Inc", MANUFACTURER1_PART#=RMCF0603JT15K0, LatestRevisionDate=17-Jul-2002, LatestRevisionNote="Re-released for DXP Platform.", PackageDescription="Axial Device, Thru-Hole; 2 Leads; 0.3 in Pin Spacing", PackageReference=AXIAL-0.3, Published=8-Jun-2000, Publisher="Altium Limited"
R49: "VR 3006P-1-503", MANUFACTURER1_PART#=3006P-1-503, LatestRevisionDate=17-Jul-2002, LatestRevisionNote="Re-released for DXP Platform.", MANUFACTURER1=https://banlinhkien.com/bien-tro-50k-3006p503-p6651084.html, PackageDescription="Variable Resistor, Thru-Hole; 3 Leads", PackageReference=VR5, Published=8-Jun-2000, Publisher="Altium Limited", Set Position=0.5, Sim Note="Enter the Resistance value and the set point into parameter fields."
R51: "RES SMD,10K OHM 5% 1/10W 0603", MANUFACTURER1="Stackpole Electronics Inc", MANUFACTURER1_PART#=RMCF0603JT10K0, LatestRevisionDate=17-Jul-2002, LatestRevisionNote="Re-released for DXP Platform.", PackageDescription="Axial Device, Thru-Hole; 2 Leads; 0.3 in Pin Spacing", PackageReference=AXIAL-0.3, Published=8-Jun-2000, Publisher="Altium Limited"
R53: "RES SMD,33K OHM 5% 1/10W 0603", MANUFACTURER1="Stackpole Electronics Inc", MANUFACTURER1_PART#=RMCF0603JT33K0, LatestRevisionDate=17-Jul-2002, LatestRevisionNote="Re-released for DXP Platform.", PackageDescription="Axial Device, Thru-Hole; 2 Leads; 0.3 in Pin Spacing", PackageReference=AXIAL-0.3, Published=8-Jun-2000, Publisher="Altium Limited"
R54 R55 R58 R81 R82 R102 R105: library part Res0.3, "RES SMD 5.1K OHM 1% 1/10W 0603", MANUFACTURER1=Yageo, MANUFACTURER1_PART#=RC0603FR-075K1L, Category="RES SMD", PACKING="Tape & Reel (TR)", PCB Footprint=0603, Process Type=SM, UNIT=PCS
R95 R120 R122 R123 R126: library part Res0.3, "RES SMD,1K OHM,5%,1/10W,0603", MANUFACTURER1="Stackpole Electronics Inc", MANUFACTURER1_PART#=RMCF06031K00JNEAC, MANUFACTURER2=UWA, MANUFACTURER2_PART#=R0603J1KTG, Category="RES SMD", DESCCRIPTION="RES SMD 1K OHM 5% 1/10W 0603", LOH_Code=140100083, PACKING="Tape & Reel (TR)", PCB Footprint=0603, Process Type=SM, UNIT=PCS